# KiCad board DM23.kicad_pcb (continued)
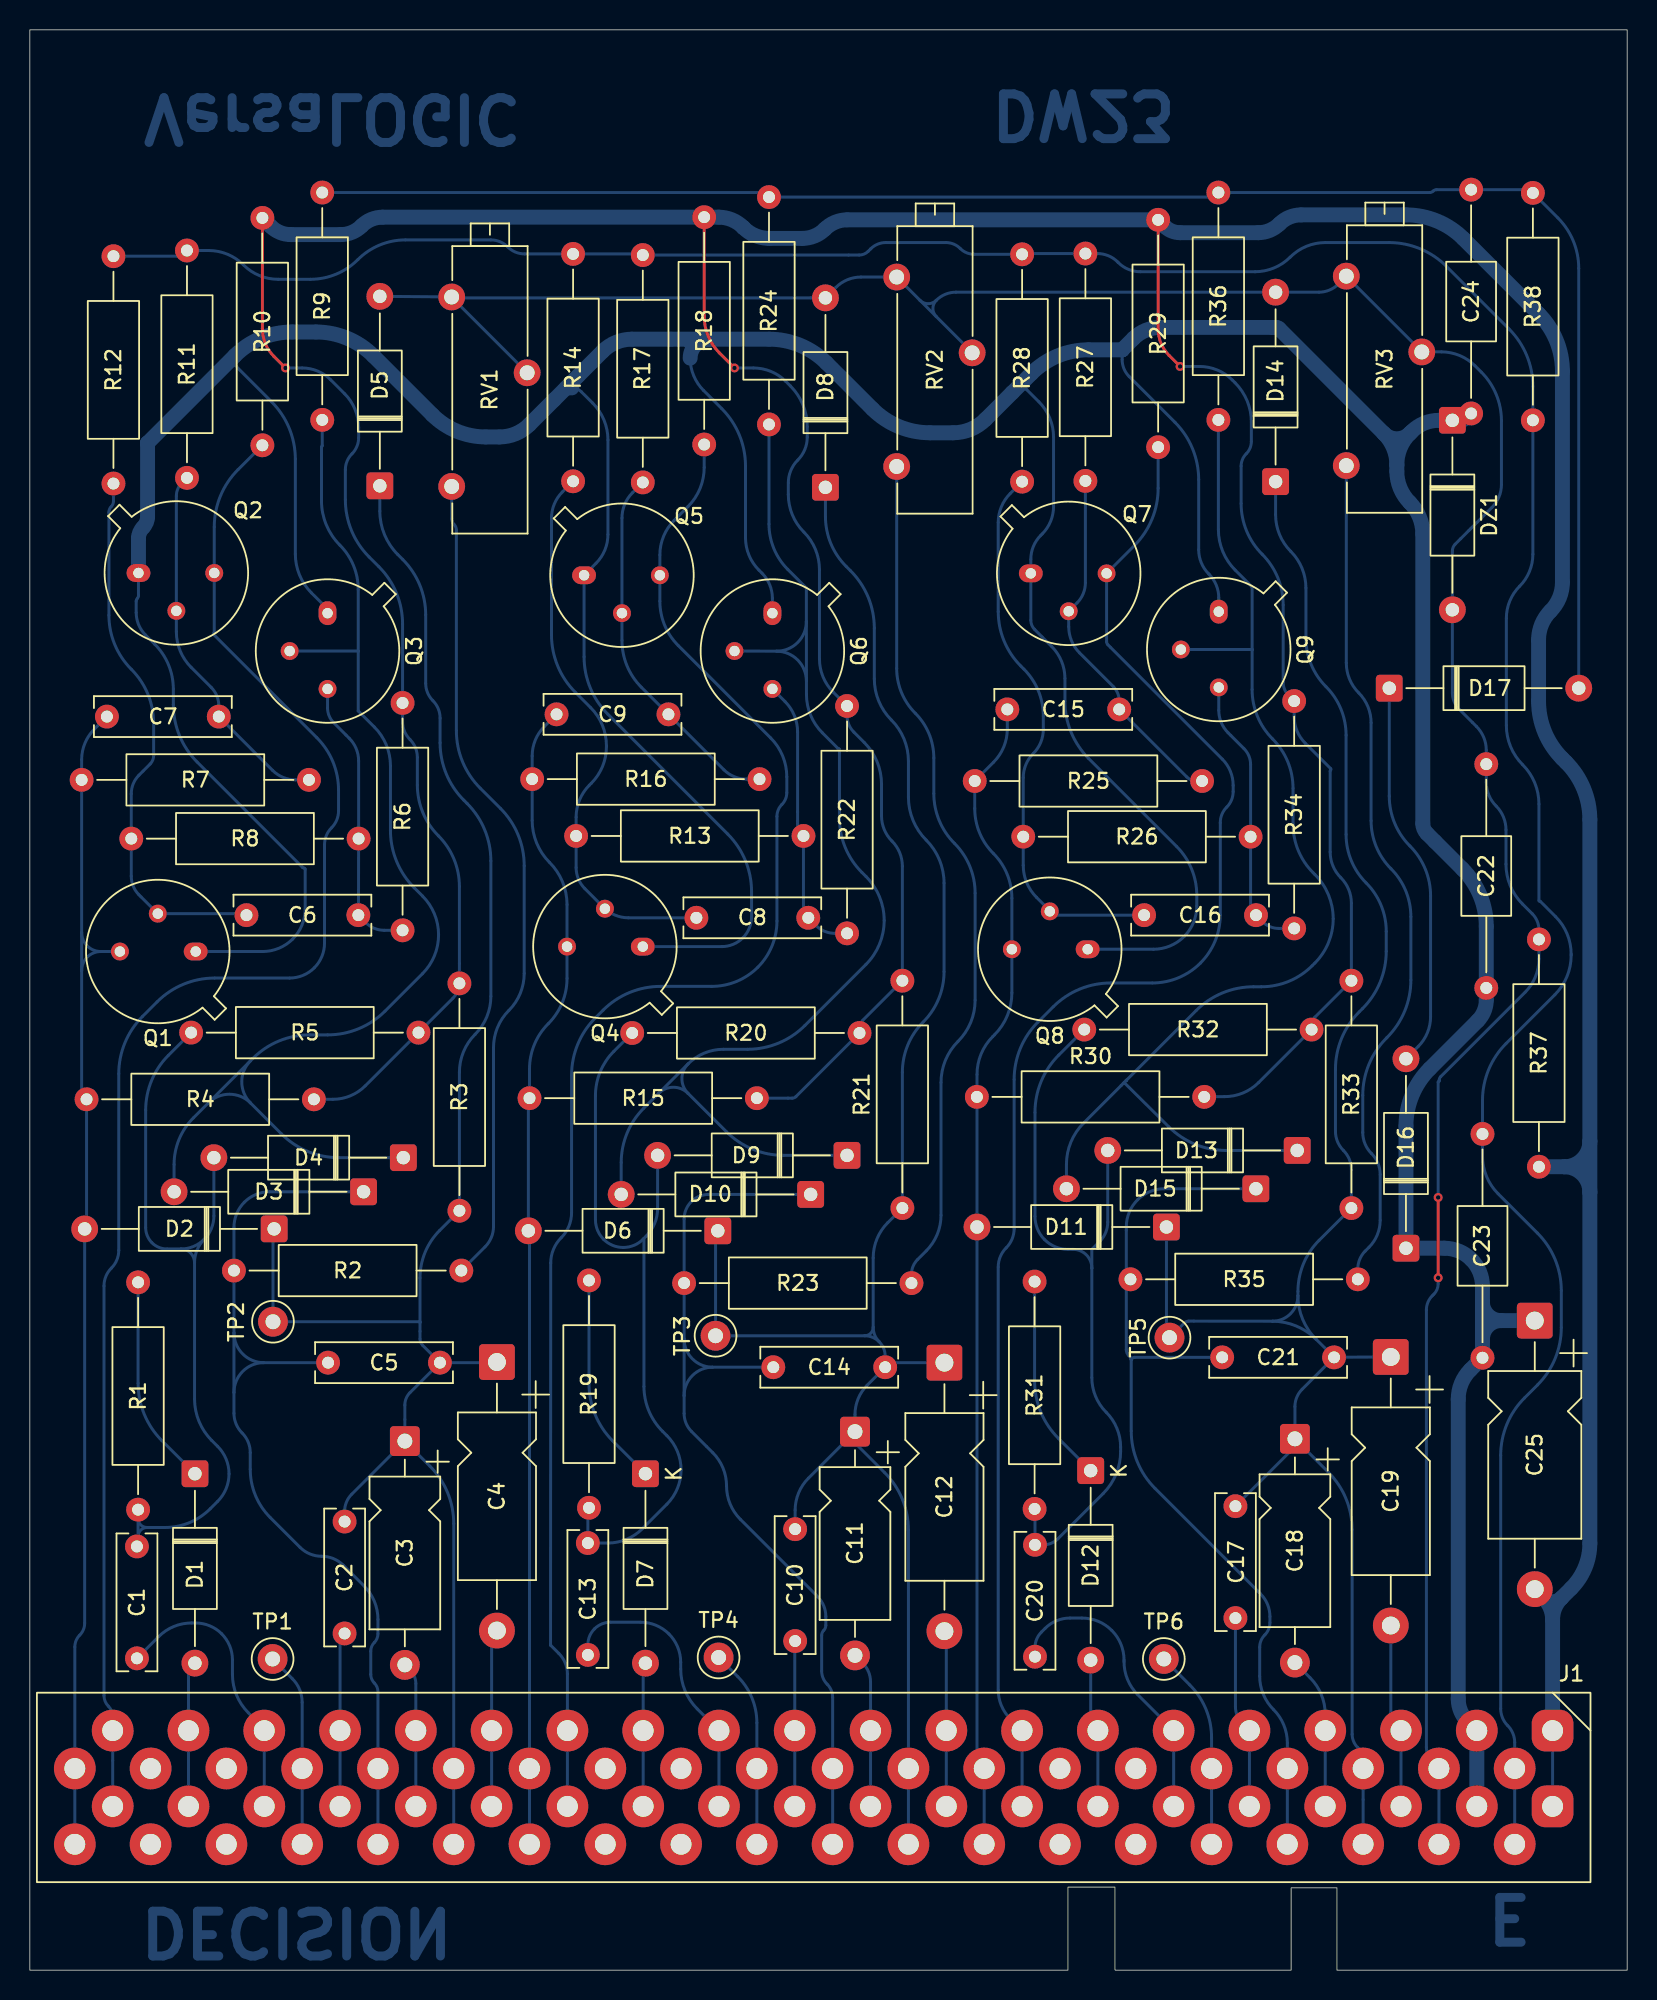
[diagram p0: board, top side]
## Routing (per net, layer and track width the routed paths; a pad name or vN(x,y) marks a point on that pad's centre or on a via; arc(x,y) is an arc through that point) (continued)
  Bottom w1: 102.67,24.94 103.32,25.6 arc(104.25,26.98) 104.57,28.61 104.57,52.15 ; 102.67,24.94 arc(102.07,24.7) 101.48,24.94 ; 102.67,24.94 arc(102.23,24.28) 102.07,23.5 ; 104.57,55.56 104.57,77.12 arc(104.16,79.2) 102.98,80.97 102.73,81.22 arc(101.55,82.98) 101.13,85.06 101.13,89.17 arc(101.34,90.22) 101.94,91.1 arc(102.53,91.99) 102.74,93.03 102.74,107.17 arc(102.32,109.26) 101.14,111.02 96.1,116.06 arc(94.33,117.24) 92.25,117.66 85.22,117.66 arc(84.44,117.5) 83.77,117.06 arc(83.11,116.62) 82.33,116.46 77.11,116.46 arc(76.54,116.58) 76.07,116.9 R29.1 54.8,117.33 arc(53.98,117.17) 53.29,116.71 arc(52.6,116.25) 51.79,116.08 49.56,116.08 arc(48.63,116.27) 47.85,116.79 47.82,116.82 arc(47.06,117.33) 46.17,117.51 R18.1 23.65,117.51 arc(22.89,117.35) 22.24,116.92 arc(21.6,116.49) 20.83,116.34 17.5,116.34 arc(16.77,116.48) 16.15,116.9 R10.1 ; 104.57,55.56 104.57,52.15 ; 104.57,55.56 arc(104.07,54.35) 102.87,53.85 ; 102.87,53.85 R37.1 ; 102.87,53.85 arc(104.07,53.35) 104.57,52.15 ; 101.48,24.94 C25.2 ; 101.48,24.94 arc(101.92,24.28) 102.07,23.5 ; J1.1 102.07,23.5
GND: length 422.7
  Bottom w0.2: Q8.1 75.32,68.43 arc(76.43,68.65) 77.37,69.28 arc(78,70.23) 78.22,71.34 78.22,72.05 arc(77.87,73.82) 76.87,75.33 70.98,81.22 arc(69.8,82.98) 69.38,85.06 69.38,86.59 arc(69.15,87.74) 68.5,88.72 67.36,89.87 arc(67.17,90.15) 67.1,90.49 Q7.1 67.1,94.57 arc(67.27,95.44) 67.76,96.17 67.86,96.27 arc(68.42,97.12) 68.62,98.11 68.62,102.76 arc(68.37,104.04) 67.65,105.12 66.83,105.94 arc(66.65,106.06) 66.44,106.1 66.21,106.1 ; Q9.1 79.7,91.99 arc(79.53,92.85) 79.04,93.57 79.02,93.59 arc(78.53,94.34) 78.35,95.22 78.35,99.91 arc(77.94,101.99) 76.76,103.76 73.69,106.83 arc(73.34,107.35) 73.22,107.96 73.22,108.62 arc(73.22,108.62) 73.22,108.62 ; Q3.1 19.96,91.1 arc(19.93,91.23) 19.86,91.34 18.88,92.32 arc(18.08,93.52) 17.8,94.93 17.8,101.28 arc(17.38,103.36) 16.2,105.13 13.47,107.87 ; Q6.1 49.78,91.95 arc(49.59,92.87) 49.08,93.64 48.87,93.85 arc(48.21,94.84) 47.97,96.02 47.97,100.82 arc(47.56,102.91) 46.38,104.67 45.16,105.89 arc(44.5,106.88) 44.26,108.06 arc(43.89,108.96) 42.99,109.33 ; Q2.1 7.28,92.14 arc(7.26,92.04) 7.21,91.95 arc(7.15,91.87) 7.13,91.77 7.13,91 arc(7.29,90.19) 7.75,89.51 8.37,88.88 arc(9.3,87.5) 9.62,85.88 9.62,84.83 arc(10.03,82.75) 11.21,80.99 18.29,73.91 arc(18.34,73.88) 18.39,73.87 arc(18.44,73.85) 18.46,73.81 18.46,71.14 arc(18.24,70.05) 17.62,69.12 arc(16.69,68.5) 15.6,68.28 Q1.1 ; 35.95,106.06 36.33,106.06 arc(36.68,105.99) 36.98,105.79 37.73,105.04 arc(38.49,103.91) 38.75,102.57 38.75,96.23 arc(38.54,95.19) 37.95,94.3 Q5.1 37.15,88.04 arc(37.57,85.95) 38.75,84.19 46.79,76.15 arc(47.96,74.38) 48.38,72.3 48.38,70.61 arc(48.23,69.84) 47.79,69.2 arc(47.15,68.76) 46.38,68.61 Q4.1
  Bottom w1: 92.51,103.01 92.63,103.13 arc(93.46,103.69) 94.45,103.89 95.84,103.89 arc(96.13,103.95) 96.38,104.11 C24.1 ; 92.51,103.01 arc(91.63,102.65) 90.76,103.01 ; 92.51,103.01 arc(91.86,102.04) 91.63,100.9 ; 97.38,42.3 97.38,44.79 ; 97.38,42.3 C23.1 96.56,40.24 arc(95.96,39.34) 95.75,38.28 95.75,18.18 arc(95.91,17.37) 96.37,16.68 arc(96.83,15.99) 96.99,15.18 J1.3 ; 97.38,42.3 97.38,44.79 ; 97.38,42.3 arc(97.74,43.18) 98.62,43.54 ; 97.38,44.79 97.38,45.83 arc(97.18,46.81) 96.63,47.64 arc(95.8,48.2) 94.82,48.39 D16.1 92.24,56.57 arc(92.66,58.66) 93.84,60.42 97.05,63.64 arc(97.48,64.28) 97.63,65.03 C22.1 97.63,69.96 arc(97.22,72.05) 96.04,73.81 93.65,76.2 arc(93.45,76.5) 93.37,76.86 93.37,96.27 arc(93.15,97.41) 92.5,98.37 arc(91.86,99.34) 91.63,100.48 91.63,100.9 ; 97.38,44.79 arc(97.74,43.91) 98.62,43.54 ; 91.63,100.9 arc(91.41,102.04) 90.76,103.01 ; 45.53,109.33 42.99,109.33 40.36,109.33 arc(39.3,109.12) 38.39,108.51 36.76,106.88 33.49,103.6 arc(32.57,102.99) 31.48,102.77 30.56,102.77 arc(28.63,103.16) 26.98,104.26 23.02,108.22 arc(21.26,109.4) 19.18,109.81 17.59,109.81 arc(15.51,109.4) 13.74,108.22 7.89,102.37 7.89,97.44 arc(7.81,97.04) 7.59,96.7 arc(7.36,96.37) 7.28,95.97 Q2.1 ; 45.53,109.33 49.55,109.33 arc(51.64,108.91) 53.4,107.73 56.49,104.65 arc(58.25,103.47) 60.34,103.05 61.9,103.05 arc(63.07,103.29) 64.06,103.95 65.85,105.74 67.14,107.03 arc(68.9,108.2) 70.97,108.62 73.22,108.62 ; 45.53,109.33 arc(44.64,108.96) 44.26,108.06 ; 90.76,103.01 83.74,110.03 arc(83.65,110.09) 83.54,110.11 75.78,110.11 arc(74.8,109.92) 73.97,109.37 73.22,108.62 ; 73.22,108.62 arc(73.22,108.62) 73.22,108.62 ; 73.22,108.62 arc(73.22,108.62) 73.22,108.62 ; 73.22,108.62 arc(73.22,108.62) 73.22,108.62 ; 98.62,43.54 C25.1 ; 36.33,106.06 35.95,106.06
J1-4: length 196.3
  Top w0.2: v1(94.4,46.41) v1(94.4,51.8)
  Bottom w0.2: 93.31,108.49 93.31,108.49 ; 93.31,108.49 RV3.2 ; 93.31,108.49 arc(93.31,108.48) 93.31,108.48 ; RV1.3 28.27,112.16 ; 59.67,111.93 RV2.3 55.72,113.49 arc(54.8,113.31) 54.03,112.79 arc(53.26,112.28) 52.34,112.1 28.38,112.1 arc(28.34,112.1) 28.31,112.13 28.28,112.16 ; 59.67,111.93 60.76,110.84 ; 59.67,111.93 arc(60.22,111.7) 60.76,111.93 ; RV2.2 63.17,108.43 arc(63.17,108.43) 63.17,108.43 arc(63.16,108.44) 63.16,108.44 63.15,108.45 60.76,110.84 ; 28.27,112.16 28.28,112.15 ; 28.27,112.16 arc(28.27,112.16) 28.27,112.16 ; 28.27,112.16 arc(28.27,112.16) 28.27,112.16 ; 28.28,112.15 28.28,112.15 arc(28.28,112.15) 28.28,112.15 arc(28.28,112.15) 28.28,112.15 28.28,112.15 ; 28.28,112.15 28.29,112.14 ; 28.28,112.15 28.28,112.15 ; RV1.2 28.28,112.14 ; 93.31,108.48 93.31,108.48 ; 93.31,108.48 93.31,108.48 ; 93.31,108.48 arc(93.31,108.48) 93.31,108.48 ; 93.31,108.48 94.63,108.48 arc(95.84,108.23) 96.88,107.54 97.3,107.12 arc(98.29,105.63) 98.65,103.86 98.65,99.58 arc(98.48,98.75) 98.01,98.05 96.47,96.51 95.54,95.58 arc(95.41,95.38) 95.36,95.13 DZ1.2 95.36,85.62 arc(95.47,85.03) 95.81,84.53 96.97,83.37 arc(97.46,82.64) 97.63,81.78 C22.2 97.63,79.63 arc(97.8,78.77) 98.29,78.03 arc(98.78,77.3) 98.95,76.44 98.95,74.14 arc(99.24,72.69) 100.06,71.47 100.71,70.81 arc(101.04,70.32) 101.16,69.73 101.16,67.79 arc(100.92,66.58) 100.24,65.55 94.56,59.88 arc(94.5,59.79) 94.48,59.68 94.48,59.61 arc(94.47,59.58) 94.44,59.57 arc(94.42,59.56) 94.4,59.53 v1(94.4,51.8) ; 60.76,110.84 arc(60.54,111.38) 60.76,111.93 ; 93.31,108.49 93.31,108.49 arc(93.3,108.5) 93.3,108.5 93.29,108.51 88.78,113.01 arc(88.25,113.24) 87.71,113.01 arc(87.11,112.62) 86.41,112.48 D14.2 62.08,112.48 arc(61.37,112.33) 60.76,111.93 ; J1.4 94.45,12.93 arc(94.35,13.47) 94.04,13.94 arc(93.72,14.4) 93.62,14.95 93.62,44.25 arc(93.72,44.77) 94.01,45.2 94.12,45.31 arc(94.33,45.63) 94.4,46 v1(94.4,46.41) ; D5.2 28.26,112.16 arc(28.27,112.16) 28.27,112.16 arc(28.27,112.16) 28.27,112.16 ; 28.27,112.16 arc(28.27,112.16) 28.27,112.16 ; 28.27,112.16 arc(28.27,112.16) 28.27,112.16
J1-5: length 12.3
  Bottom w0.2: C19.2 91.23,17.23 arc(91.32,16.78) 91.57,16.4 arc(91.83,16.02) 91.91,15.57 J1.5
J1-6: length 130.4
  Bottom w0.2: 84.8,35.62 87.04,33.37 arc(88.22,31.61) 88.64,29.53 88.64,15.82 arc(88.73,15.34) 89.01,14.93 89.1,14.84 arc(89.3,14.53) 89.37,14.17 J1.6 ; 84.8,35.62 84.8,35.35 ; 84.8,35.62 84.8,37.78 arc(84.93,38.4) 85.28,38.93 87.43,41.09 ; 84.8,35.88 84.8,35.48 arc(84.73,35.12) 84.52,34.81 C17.2 ; 87.43,41.09 86.22,42.29 ; 87.43,41.09 C19.1 ; D11.1 76.19,42.97 76.19,42.73 arc(76.21,42.61) 76.28,42.51 76.29,42.5 arc(76.4,42.46) 76.5,42.5 77.07,43.07 arc(77.22,43.21) 77.37,43.36 77.4,43.39 arc(77.53,43.47) 77.69,43.51 78.03,43.51 83.29,43.5 ; 83.29,43.5 arc(84.5,44) 85.01,45.21 ; 83.29,43.5 arc(84.88,43.18) 86.22,42.29 ; 85.01,45.21 85.01,45.5 arc(85.37,47.35) 86.42,48.92 R33.1 88.59,53.66 arc(88.45,54.35) 88.05,54.95 arc(87.66,55.54) 87.52,56.23 87.52,60.39 arc(87.93,62.47) 89.11,64.24 89.33,64.45 arc(90.51,66.22) 90.92,68.3 90.92,69.63 arc(90.57,71.39) 89.58,72.88 arc(88.58,74.37) 88.23,76.13 88.23,82.79 arc(87.88,84.54) 86.89,86.04 arc(85.89,87.53) 85.54,89.29 85.54,92.65 arc(85.28,93.98) 84.52,95.1 arc(83.77,96.23) 83.51,97.56 D14.1 ; 85.01,45.21 arc(85.32,43.63) 86.22,42.29 ; 87.44,41.09 C21.2
J1-7: length 10.3
  Bottom w0.2: J1.7 86.83,14.8 86.83,17.15 arc(86.57,18.47) 85.82,19.6 C18.2
J1-8: length 62.1
  Bottom w0.2: 73.83,40.92 73.83,36.14 arc(74.24,34.06) 75.42,32.3 82.5,25.22 arc(82.96,24.53) 83.13,23.7 83.13,23.3 arc(83.04,22.85) 82.78,22.47 arc(82.53,22.09) 82.44,21.64 82.44,19.71 arc(82.68,18.49) 83.37,17.47 arc(84.05,16.44) 84.29,15.23 J1.8 J1.8 ; 73.83,40.92 73.83,40.94 ; 73.83,40.92 73.83,40.94 ; 73.83,40.94 73.83,40.98 ; 73.83,40.94 73.83,40.95 ; 73.83,40.96 73.83,40.91 ; 73.83,40.96 73.83,40.98 ; 73.83,40.96 arc(73.83,40.97) 73.83,40.98 ; 73.83,40.96 arc(73.83,40.96) 73.84,40.96 73.84,40.96 ; 73.83,40.95 73.89,41.01 arc(73.96,41.06) 74.05,41.08 C21.1 ; 73.83,40.98 73.83,40.99 ; 73.83,40.98 arc(73.82,41.02) 73.8,41.06 73.66,41.19 arc(73.54,41.37) 73.5,41.59 73.5,45.7 73.5,49.82 arc(73.69,50.8) 74.25,51.63 arc(75.08,52.19) 76.06,52.38 D15.1
J1-9: length 12.9
  Bottom w0.2: J1.9 81.75,15.39 arc(81.63,16.01) 81.28,16.53 arc(80.94,17.05) 80.81,17.66 C17.1
J1-11: length 20.3
  Bottom w0.2: C20.1 67.38,21.62 arc(67.49,22.18) 67.81,22.66 68.06,22.92 arc(68.82,23.42) 69.72,23.6 70.53,23.6 arc(71.61,23.39) 72.52,22.78 arc(73.13,21.86) 73.35,20.78 73.35,20.67 arc(73.58,19.48) 74.25,18.48 J1.11 J1.11
J1-13: length 9.9
  Bottom w0.2: D12.2 71.11,16.88 arc(71.17,16.57) 71.35,16.3 arc(71.53,16.03) 71.59,15.72 J1.13
J1-15: length 105.7
  Bottom w0.2: J1.15 J1.15 65.71,16.86 arc(65.12,17.74) 64.91,18.79 64.91,47.13 arc(65.05,47.83) 65.45,48.42 arc(65.84,49.01) 65.98,49.71 65.98,59.7 arc(66.4,61.78) 67.58,63.55 68.6,64.58 arc(70.37,65.76) 72.45,66.17 75.25,66.17 arc(76.99,66.52) 78.47,67.51 arc(79.45,68.98) 79.8,70.73 79.8,76.92 arc(79.91,77.48) 80.23,77.96 arc(80.55,78.44) 80.66,79 80.66,79.42 arc(80.47,80.37) 79.94,81.17 72.26,88.85 arc(72.2,88.94) 72.18,89.05 Q7.3 74.04,95.49 arc(75.22,97.26) 75.63,99.34 R29.2
J1-16: length 78.3
  Bottom w0.2: J1.16 63.97,13.18 arc(63.91,13.49) 63.73,13.76 arc(63.55,14.03) 63.49,14.34 D11.2 63.49,60.04 arc(63.77,61.41) 64.54,62.58 64.66,62.69 arc(65.53,63.99) 65.83,65.51 Q8.3 65.83,71.85 arc(65.51,73.48) 64.58,74.86 arc(63.66,76.24) 63.34,77.86 R25.1 64.6,80.97 arc(65.28,81.99) 65.52,83.2 C15.1
J1-17: length 11.8
  Bottom w0.2: C12.2 61.37,22.66 arc(61.42,22.59) 61.43,22.5 J1.17 J1.17
J1-18: length 128.9
  Bottom w0.2: 55.96,42.53 TP3.1 45.97,49.3 arc(45.99,49.4) 46.04,49.48 D6.1 ; 55.96,42.53 arc(56.49,42.42) 56.93,42.12 ; 55.96,42.53 arc(56.37,42.69) 56.53,43.09 ; J1.18 J1.18 58.89,29.5 arc(58.48,31.58) 57.3,33.35 55.31,35.34 ; 55.31,36.29 55.31,35.91 ; 55.31,36.29 55.31,37.25 arc(55.52,38.31) 56.12,39.21 C14.2 ; 55.31,36.29 arc(55.28,36.11) 55.18,35.96 ; 55.31,35.91 55.31,35.72 ; 55.31,35.91 55.31,36.48 ; 55.31,35.91 arc(55.26,35.98) 55.18,35.96 ; 55.18,35.96 52.19,32.98 arc(51.53,31.99) 51.3,30.82 C10.2 ; D8.1 53.33,97.44 arc(53.69,95.63) 54.72,94.1 55.01,93.8 arc(56.19,92.04) 56.61,89.95 56.61,86.56 arc(56.91,85.07) 57.75,83.8 arc(58.6,82.53) 58.89,81.04 58.89,78.63 arc(59.21,77.07) 60.09,75.75 arc(60.97,74.43) 61.28,72.87 61.28,66.93 arc(60.92,65.1) 59.89,63.56 arc(58.85,62.01) 58.49,60.18 R21.1 57.51,50.11 arc(56.79,49.02) 56.53,47.75 56.53,43.09 ; C14.2 57.49,40.57 ; C14.2 57.34,41.15 arc(57.23,41.68) 56.93,42.12 ; 56.53,43.09 arc(56.64,42.57) 56.93,42.12 ; 57.18,40.26 57.41,40.49 arc(57.67,40.66) 57.96,40.72 C12.1
J1-19: length 10.5
  Bottom w0.2: J1.19 J1.19 56.35,19.32 arc(56.22,20) 55.83,20.58 C11.2
J1-20: length 65.2
  Bottom w0.2: J1.20 J1.20 53.81,18.28 arc(53.72,18.76) 53.45,19.17 arc(53.17,19.58) 53.08,20.06 53.08,22.44 arc(53.11,22.62) 53.22,22.78 arc(53.32,22.93) 53.36,23.11 53.36,23.7 arc(53.21,24.43) 52.8,25.05 47.63,30.22 arc(46.94,31.25) 46.7,32.45 46.7,32.46 arc(46.46,33.66) 45.78,34.68 44.36,36.11 arc(43.99,36.66) 43.86,37.31 43.86,38.51 ; 43.86,38.51 43.86,42.32 ; 43.86,38.51 arc(44.42,39.86) 45.76,40.42 ; 43.86,42.32 R23.1 43.86,50.35 arc(43.98,50.98) 44.34,51.52 arc(44.88,51.87) 45.51,52 D10.1 ; 43.86,42.32 arc(44.42,40.97) 45.76,40.42 ; 45.76,40.42 C14.1
J1-21: length 11.1
  Bottom w0.2: J1.21 J1.21 51.27,22.02 arc(51.28,22.04) 51.29,22.05 C10.1
J1-23: length 19.9
  Bottom w0.2: J1.23 J1.23 44.73,17.52 arc(43.92,18.74) 43.63,20.19 43.63,20.63 arc(43.42,21.66) 42.84,22.54 arc(41.97,23.12) 40.94,23.32 38.92,23.32 arc(38.34,23.21) 37.85,22.88 arc(37.52,22.39) 37.41,21.81 C13.1
J1-25: length 9.7
  Bottom w0.2: D7.2 41.19,20.5 arc(41.13,20.42) 41.11,20.32 J1.25 J1.25
J1-27: length 105.6
  Bottom w0.2: R18.2 45.2,100.73 arc(44.92,99.31) 44.12,98.11 43.19,97.18 arc(42.48,96.12) 42.23,94.86 Q5.3 42.23,91.76 arc(42.55,90.16) 43.46,88.79 49.66,82.59 arc(50.46,81.4) 50.74,79.99 50.74,78.93 arc(50.66,78.5) 50.41,78.14 arc(50.17,77.77) 50.08,77.34 50.08,70.32 arc(49.75,68.65) 48.8,67.23 arc(47.38,66.28) 45.7,65.94 42.28,65.94 arc(40.19,65.53) 38.43,64.35 37.91,63.83 arc(36.73,62.06) 36.31,59.98 36.31,50.78 arc(36.13,49.86) 35.62,49.09 arc(35.1,48.32) 34.92,47.4 34.9,21.82 34.9,21.8 arc(34.91,21.79) 34.91,21.78 35.47,21.22 arc(35.89,20.59) 36.03,19.86 J1.27 J1.27
J1-28: length 77.6
  Bottom w0.2: C9.1 34.49,83.36 arc(33.89,82.46) 33.67,81.39 R16.1 33.67,77.07 arc(33.98,75.54) 34.84,74.25 arc(35.71,72.96) 36.01,71.43 Q4.3 36.01,66.48 arc(35.68,64.83) 34.75,63.44 arc(33.82,62.05) 33.49,60.41 33.49,58.5 arc(33.48,58.46) 33.46,58.41 arc(33.43,58.37) 33.42,58.32 33.42,49.61 arc(33.43,49.57) 33.46,49.52 arc(33.48,49.48) 33.49,49.43 J1.28 J1.28
J1-29: length 11.9
  Bottom w0.2: J1.29 J1.29 30.95,22.16 arc(31,22.39) 31.13,22.59 C4.2
J1-30: length 124.5
  Bottom w0.2: C5.2 31.24,40.72 arc(31.27,40.73) 31.29,40.74 C4.1 ; C5.2 26.33,41.88 arc(26.2,42.08) 26.15,42.31 26.15,43.42 ; C5.2 25.48,38.71 arc(25.23,38.33) 25.14,37.88 C3.1 ; D5.1 23.46,97.8 arc(23.77,96.22) 24.67,94.89 25,94.56 arc(26.14,92.85) 26.54,90.85 26.54,86.26 arc(26.66,85.63) 27.02,85.1 arc(27.37,84.56) 27.5,83.93 27.5,82.27 arc(27.91,80.19) 29.09,78.42 29.31,78.21 arc(30.49,76.44) 30.9,74.36 30.9,65.28 arc(30.63,63.9) 29.85,62.73 arc(29.07,61.56) 28.8,60.19 R3.1 27.47,49.59 arc(26.5,48.12) 26.15,46.4 26.15,43.46 ; C2.2 21.1,30.75 arc(21.22,31.37) 21.58,31.9 C3.1 ; C3.1 26.82,33.78 arc(28,32.02) 28.41,29.93 J1.30 J1.30 ; 26.15,43.42 26.15,43.46 ; 26.15,43.42 arc(26.15,43.44) 26.14,43.45 ; 26.15,43.46 arc(26.15,43.45) 26.14,43.45 ; 28.26,13.7 28.49,13.47 ; D2.1 16.34,49.65 arc(16.31,49.61) 16.3,49.56 TP2.1 26.11,43.46 arc(26.13,43.46) 26.14,43.45
J1-31: length 9.7
  Bottom w0.2: J1.31 J1.31 25.87,19.21 arc(25.78,19.69) 25.51,20.1 C3.2
J1-32: length 66.6
  Bottom w0.2: J1.32 J1.32 23.33,18.66 arc(23.27,18.98) 23.09,19.25 arc(22.91,19.51) 22.85,19.83 22.85,21.38 arc(22.91,21.7) 23.09,21.96 arc(23.27,22.23) 23.33,22.55 23.33,23.51 arc(23.09,24.72) 22.41,25.75 21.02,27.14 arc(20.35,27.59) 19.56,27.74 arc(18.78,27.9) 18.11,28.34 16.11,30.34 arc(15.12,31.82) 14.77,33.57 14.77,34.69 arc(14.63,35.41) 14.23,36.01 arc(13.82,36.61) 13.68,37.33 13.68,38.72 ; D3.1 16.07,52.18 arc(15.15,52) 14.38,51.48 arc(13.86,50.7) 13.68,49.79 R2.1 13.68,42.72 ; 15.68,40.72 C5.1 ; 15.68,40.72 arc(14.27,41.31) 13.68,42.72 ; 15.68,40.72 arc(14.27,40.14) 13.68,38.72 ; 13.68,38.72 13.68,42.72
J1-33: length 11.7
  Bottom w0.2: J1.33 J1.33 20.79,22.05 arc(20.83,22.25) 20.95,22.42 C2.1
J1-35: length 19.4
  Bottom w0.2: C1.1 8.64,22.36 arc(9.65,23.03) 10.84,23.27 11.11,23.27 arc(12.06,23.08) 12.86,22.55 arc(13.39,21.75) 13.58,20.8 13.58,19.83 arc(13.86,18.43) 14.65,17.25 15.67,16.23 ; 15.71,15.99 J1.35 ; 15.71,15.99 15.71,16.12 ; 15.71,15.99 15.71,16.12 ; 15.67,16.23 arc(15.7,16.18) 15.71,16.12 ; 15.67,16.23 arc(15.7,16.18) 15.71,16.12
J1-37: length 9.7
  Bottom w0.2: D1.2 10.85,20.36 arc(10.69,20.12) 10.63,19.84 J1.37 J1.37
J1-39: length 106.2
  Bottom w0.2: J1.39 5.55,16.23 5.55,16.99 arc(5.48,17.37) 5.26,17.7 arc(5.05,18.02) 4.97,18.4 4.97,45.86 arc(5.1,46.51) 5.47,47.06 arc(5.83,47.61) 5.96,48.25 5.96,60.08 arc(6.38,62.17) 7.55,63.93 8.53,64.91 arc(10.3,66.09) 12.38,66.5 17.41,66.5 arc(18.31,66.68) 19.07,67.19 arc(19.58,67.95) 19.75,68.84 19.75,75.44 arc(19.88,76.05) 20.22,76.57 arc(20.57,77.09) 20.69,77.71 20.69,79.1 arc(20.32,81) 19.24,82.61 12.32,89.53 arc(12.31,89.57) 12.32,89.6 arc(12.35,89.65) 12.36,89.7 Q2.3 12.36,96.74 arc(12.78,98.82) 13.96,100.58 R10.2
J1-40: length 81.8
  Bottom w0.2: 3.47,67 3.47,69.56 ; 3.47,67 3.47,58.94 arc(3.51,58.72) 3.64,58.54 arc(3.76,58.36) 3.8,58.14 3.8,50.11 arc(3.79,50.02) 3.74,49.95 3.73,49.95 arc(3.69,49.89) 3.68,49.81 3.68,49.38 3.68,23.26 arc(3.59,22.82) 3.34,22.46 arc(3.1,22.09) 3.01,21.66 J1.40 J1.40 ; 3.47,67 arc(3.85,67.91) 4.75,68.28 ; 3.47,69.56 R7.1 3.47,81.14 arc(3.69,82.24) 4.32,83.18 C7.1 ; 3.47,69.56 arc(3.85,68.66) 4.75,68.28 ; 4.75,68.28 Q1.3
Net-(D1-K): length 14.2
  Bottom w0.2: 10.99,33.28 11.05,33.28 arc(11.05,33.28) 11.05,33.29 11.03,33.32 8.85,35.5 arc(7.67,37.26) 7.26,39.34 R1.2
Net-(D3-A): length 86.4
  Bottom w0.2: 14.79,60.96 14.95,61.12 arc(16.7,62.28) 18.75,62.69 19.96,62.69 arc(22.05,63.11) 23.81,64.29 26.32,66.8 arc(27.12,67.99) 27.4,69.4 arc(27.12,70.81) 26.32,72 25.77,72.55 arc(24.59,74.32) 24.17,76.4 24.17,80.72 arc(23.89,82.13) 23.09,83.33 22.01,84.41 22.01,88.41 ; 14.79,60.96 11.96,58.13 ; 14.79,60.96 arc(14.21,59.54) 14.79,58.13 ; 22.01,88.42 22.01,88.41 ; 22.01,88.42 22.01,92.55 arc(21.69,94.16) 20.78,95.52 arc(19.87,96.89) 19.55,98.5 19.55,102.08 arc(19.56,102.11) 19.58,102.14 arc(19.59,102.17) 19.6,102.2 R9.1 ; 22.01,88.42 arc(22.01,88.42) 22.01,88.42 ; 22.01,88.41 arc(22.01,88.42) 22.01,88.42 ; 11.96,58.13 10.96,57.13 arc(10.01,55.7) 9.67,54.01 D3.2 ; 11.96,58.13 arc(13.38,58.71) 14.79,58.13 ; 14.79,58.13 16.86,56.06 arc(18.63,54.88) 20.71,54.46 D4.1 ; Q3.2 22,88.42 arc(22.01,88.42) 22.01,88.42
Net-(D4-A): length 54.4
  Bottom w0.2: 11.04,47.43 11.04,38.29 arc(11.34,36.78) 12.2,35.5 12.59,35.11 arc(13.15,34.26) 13.35,33.27 arc(13.15,32.27) 12.59,31.42 12.1,30.93 arc(10.7,30) 9.06,29.67 7.85,29.67 ; 11.04,47.43 arc(10.77,48.07) 10.13,48.34 ; 11.04,47.43 arc(11.21,48.27) 11.69,48.99 ; R5.1 9.29,61.32 arc(8.16,59.63) 7.76,57.64 7.76,49.77 arc(7.87,49.23) 8.18,48.76 arc(8.65,48.45) 9.2,48.34 10.13,48.34 ; 7.26,30.27 R1.1 ; 7.26,30.27 7.26,29.08 ; 7.26,30.27 arc(7.43,29.85) 7.85,29.67 ; 10.13,48.34 arc(10.97,48.51) 11.69,48.99 ; 7.26,29.08 7.26,28.53 arc(7.25,28.48) 7.22,28.44 C1.2 ; 7.26,29.08 arc(7.43,29.5) 7.85,29.67 ; D4.2 12.34,50.55 arc(12.17,49.71) 11.69,48.99
Net-(D7-K): length 14.3
  Bottom w0.2: D7.1 39.08,35.47 arc(37.9,37.24) 37.48,39.32 R19.2
Net-(D9-A): length 51.1
  Bottom w0.2: 41.17,49.05 41.17,39.13 arc(41.49,37.5) 42.41,36.12 42.7,35.83 arc(43.41,34.78) 43.65,33.53 arc(43.41,32.29) 42.7,31.24 41.05,29.58 arc(40,28.88) 38.75,28.63 C13.2 37.41,30.86 arc(37.42,30.91) 37.44,30.96 R19.1 ; R20.1 39.15,61.59 arc(38.23,60.22) 37.91,58.61 37.91,50.31 arc(38.06,49.59) 38.46,48.99 arc(39.07,48.59) 39.78,48.44 39.78,48.44 arc(40.5,48.59) 41.1,48.99 41.32,49.21 arc(41.88,50.05) 42.08,51.04 D9.2
Net-(D10-A): length 89.3
  Bottom w0.2: D9.1 50.53,54.62 arc(48.45,55.03) 46.68,56.21 44.12,58.77 ; 52.05,90.4 52.06,86.41 ; 52.05,90.4 52.05,92.62 arc(52.05,92.63) 52.06,92.64 arc(52.06,92.64) 52.06,92.64 50.8,93.9 arc(49.87,95.29) 49.55,96.93 R24.1 ; 52.05,90.4 arc(51.47,88.99) 50.06,88.41 ; 52.06,86.41 52.06,85.51 arc(52.34,84.12) 53.13,82.94 54.17,81.9 arc(54.2,81.88) 54.23,81.87 arc(54.26,81.86) 54.27,81.83 54.27,77.21 arc(54.66,75.25) 55.77,73.59 56.05,73.31 arc(56.95,71.96) 57.27,70.36 arc(56.95,68.77) 56.05,67.42 51.95,63.32 arc(50.19,62.14) 48.11,61.73 46.49,61.73 arc(45.21,61.47) 44.12,60.74 ; 52.06,86.41 arc(51.47,87.82) 50.06,88.41 ; 50.06,88.41 Q6.2 ; 44.12,58.77 arc(43.71,59.76) 44.12,60.74 ; 44.12,58.77 arc(43.13,59.18) 42.15,58.77 ; D10.2 39.64,54.13 arc(40.03,56.1) 41.15,57.78 42.15,58.77 ; 42.15,58.77 44.12,60.74
Net-(D12-K): length 14
  Bottom w0.2: D12.1 68.95,35.65 arc(67.77,37.41) 67.35,39.5 R31.2
Net-(D13-A): length 52
  Bottom w0.2: R31.1 67.37,30.9 arc(67.38,30.89) 67.38,30.87 C20.2 67.94,28.51 arc(68.47,28.62) 68.91,28.91 71.95,31.95 arc(72.81,33.25) 73.12,34.77 73.12,35.06 arc(72.87,36.33) 72.15,37.39 arc(71.44,38.46) 71.19,39.72 71.19,47.06 ; R32.1 68.97,61.34 arc(67.79,59.57) 67.38,57.49 67.38,50.53 arc(67.55,49.68) 68.03,48.96 arc(68.74,48.48) 69.59,48.32 69.93,48.32 arc(70.82,47.95) 71.19,47.06 ; 71.19,47.06 71.19,48.32 71.72,48.85 arc(72.12,49.44) 72.26,50.14 D13.2
Net-(D13-K): length 81.3
  Bottom w0.2: 73.33,59.47 73.37,59.52 ; 73.33,59.47 70.64,56.78 arc(69.79,55.51) 69.49,54.01 D15.2 ; 73.33,59.47 arc(73.35,59.48) 73.37,59.47 ; 73.37,59.52 78.18,64.32 arc(79.95,65.5) 82.03,65.92 82.56,65.92 arc(84.4,66.28) 85.96,67.33 86.14,67.51 arc(87.05,68.87) 87.37,70.48 arc(87.05,72.09) 86.14,73.45 86.02,73.56 arc(85.03,75.06) 84.68,76.81 84.68,79.22 arc(84.32,81.01) 83.3,82.53 arc(82.29,84.05) 81.93,85.84 81.93,88.51 ; 73.37,59.52 arc(73.36,59.49) 73.37,59.47 ; 81.93,88.52 81.93,92.72 80.8,93.85 arc(79.97,95.1) 79.67,96.57 R36.1 ; 81.93,88.52 81.93,88.51 ; 81.93,88.52 arc(81.93,88.52) 81.93,88.52 ; Q9.2 81.92,88.52 arc(81.92,88.52) 81.93,88.52 ; 81.93,88.51 arc(81.93,88.52) 81.93,88.52 ; D13.1 80.2,54.95 arc(78.11,55.36) 76.34,56.53 73.4,59.45 arc(73.4,59.45) 73.4,59.45 arc(73.39,59.45) 73.39,59.45 73.37,59.47
Net-(D16-A): length 26.1
  Bottom w0.2: D17.1 91.13,78.7 arc(91.49,76.89) 92.51,75.35 arc(93.54,73.82) 93.9,72.01 93.9,63.91 arc(93.68,62.83) 93.07,61.92 D16.2
Net-(D17-A): length 115.7
  Bottom w0.2: R9.2 49.03,119.16 arc(49.23,119.12) 49.4,119 arc(49.56,118.89) 49.76,118.85 79.1,118.85 arc(79.3,118.89) 79.47,119 79.58,119.12 arc(79.63,119.15) 79.68,119.16 79.79,119.16 93.84,119.16 arc(93.96,119.18) 94.07,119.25 arc(94.17,119.32) 94.3,119.35 C24.2 100.19,119.35 arc(100.51,119.29) 100.78,119.1 102.43,117.46 arc(103.46,115.91) 103.83,114.08 D17.2
Net-(J1-Pin_10): length 13.5
  Bottom w0.2: TP6.1 77.75,19.12 arc(78.83,17.5) 79.21,15.59 J1.10 J1.10
Net-(J1-Pin_22): length 13.4
  Bottom w0.2: TP4.1 47.45,19.68 arc(48.4,18.26) 48.73,16.58 J1.22 J1.22
Net-(J1-Pin_34): length 14.2
  Bottom w0.2: 16.28,20.85 16.94,20.19 ; 16.28,20.85 16.26,20.87 ; 16.28,20.85 16.94,20.19 ; 16.28,20.85 16.26,20.87 ; 16.94,20.19 17.6,19.53 arc(18.08,18.81) 18.25,17.95 J1.34 J1.34 ; 16.26,20.87 16.2,20.94
Net-(Q1-B): length 36.9
  Bottom w0.2: C6.1 14.47,70.77 arc(14.41,70.81) 14.35,70.82 Q1.2 7.31,72.08 arc(6.93,72.65) 6.8,73.33 R8.1 6.8,78.86 arc(6.93,79.53) 7.31,80.1 8.06,80.85 arc(8.24,81.11) 8.3,81.41 8.3,83.59 arc(7.91,85.54) 6.8,87.2 arc(5.69,88.86) 5.3,90.82 5.3,97.73 arc(5.34,97.93) 5.45,98.1 arc(5.57,98.27) 5.61,98.47 R12.1
Net-(Q2-B): length 24.8
  Bottom w0.2: R7.2 17.81,79.79 arc(16.98,79.95) 16.27,80.42 13.18,83.52 arc(12.8,84.08) 12.67,84.75 arc(12.53,85.42) 12.15,85.99 10.81,87.33 arc(10.08,88.43) 9.82,89.72 Q2.2 9.82,98.82 arc(9.91,99.28) 10.18,99.68 R11.1
Net-(Q3-E): length 19.2
  Bottom w0.2: 22.02,70.8 22.04,70.82 ; Q3.3 19.96,84.61 arc(20.06,84.07) 20.37,83.62 21.41,82.57 arc(21.88,81.88) 22.04,81.06 R8.2 22.03,70.86 arc(22.03,70.81) 22.03,70.77 arc(22.03,70.72) 22.05,70.69 22.53,70.21 arc(23.09,69.84) 23.76,69.7 R6.1
Net-(Q4-B): length 37.8
  Bottom w0.2: R14.1 35.69,99.08 arc(35.16,98.28) 34.97,97.33 34.97,89.51 arc(35.38,87.43) 36.56,85.66 37.59,84.63 arc(38.38,83.46) 38.65,82.07 38.65,82.01 arc(38.39,80.68) 37.63,79.56 37.51,79.43 arc(36.85,78.45) 36.62,77.29 R13.1 36.62,73.91 arc(36.77,73.14) 37.2,72.5 38.47,71.23 arc(39.23,70.72) 40.13,70.54 C8.1
Net-(Q5-B): length 24.9
  Bottom w0.2: R16.2 48.03,79.84 arc(47.22,80) 46.53,80.46 C9.2 40.99,86 arc(40.03,87.44) 39.69,89.13 Q5.2 39.69,97.34 arc(39.87,98.25) 40.39,99.03 R17.1
Net-(Q6-E): length 19.1
  Bottom w0.2: Q6.3 50.62,85.04 arc(51.25,84.1) 51.47,83 51.47,76.88 51.47,76.57 arc(51.49,76.43) 51.57,76.31 51.66,76.22 arc(51.81,76.01) 51.86,75.75 51.86,71.17 arc(51.9,70.97) 52.02,70.79 52.15,70.66 arc(52.17,70.62) 52.18,70.58 arc(52.19,70.54) 52.21,70.51 52.7,70.02 arc(53.28,69.64) 53.96,69.5 R22.1
Net-(Q7-B): length 24.4
  Bottom w0.2: R25.2 78.2,79.71 arc(77.85,79.78) 77.56,79.98 C15.2 73.02,85.08 arc(72.92,85.6) 72.62,86.04 70.37,88.3 arc(69.83,89.11) 69.64,90.06 Q7.2 70.2,91.65 arc(70.61,92.27) 70.76,93 R27.1
Net-(Q8-B): length 37.6
  Bottom w0.2: R28.1 65.71,98.98 arc(65.12,98.09) 64.91,97.05 64.91,91.07 arc(65.31,89.09) 66.43,87.42 66.64,87.21 arc(67.6,85.77) 67.94,84.07 67.94,83.18 arc(67.76,82.3) 67.26,81.55 arc(66.77,80.81) 66.59,79.93 R26.1 66.59,74.06 arc(66.82,72.9) 67.48,71.91 68.35,71.04 arc(68.36,71.02) 68.37,71 arc(68.37,70.98) 68.39,70.96 68.5,70.85 arc(68.64,70.75) 68.8,70.72 C16.1
Net-(Q9-E): length 19.3
  Bottom w0.2: 82.24,70.67 82.15,70.77 ; 82.24,70.67 82.64,70.27 arc(83.13,69.95) 83.71,69.83 R34.1 ; 82.24,70.67 arc(82.22,70.72) 82.24,70.77 ; 82.15,70.77 82.01,70.9 arc(81.88,71.1) 81.83,71.34 R26.2 81.83,80.81 arc(81.72,81.39) 81.39,81.88 80.32,82.95 arc(79.86,83.64) 79.7,84.45 Q9.3 ; 82.15,70.77 arc(82.19,70.75) 82.24,70.77 ; 82.24,70.77 82.29,70.81
Net-(R2-Pad2): length 55.4
  Bottom w0.2: R2.2 30.52,48.49 arc(30.93,49.11) 31.08,49.85 31.08,61.85 arc(31.35,63.19) 32.11,64.33 arc(32.87,65.47) 33.14,66.81 33.14,74.03 arc(32.72,76.11) 31.55,77.88 30.19,79.23 arc(29.01,81) 28.59,83.08 28.59,96.53 arc(28.55,96.74) 28.43,96.91 arc(28.32,97.09) 28.28,97.29 RV1.1
Net-(R23-Pad2): length 57.4
  Bottom w0.2: RV2.1 58.11,87.26 arc(58.43,85.64) 59.35,84.26 arc(60.27,82.88) 60.6,81.25 60.6,78.87 arc(60.96,77.07) 61.98,75.53 arc(63.01,74) 63.37,72.19 63.37,65.02 arc(63.07,63.53) 62.22,62.26 arc(61.38,60.99) 61.08,59.5 61.08,50.61 arc(60.82,49.31) 60.09,48.21 59.51,47.64 arc(59.21,47.18) 59.1,46.64 R23.2
Net-(R35-Pad2): length 57.3
  Bottom w0.2: RV3.1 88.25,87.63 arc(88.46,86.54) 89.08,85.62 arc(89.69,84.7) 89.91,83.62 89.91,77.05 arc(90.25,75.31) 91.24,73.83 arc(92.23,72.35) 92.58,70.61 92.58,66.37 arc(92.16,64.29) 90.98,62.52 90.94,62.48 arc(89.76,60.72) 89.35,58.64 89.35,56.15 arc(89.5,55.39) 89.93,54.74 arc(90.37,54.1) 90.52,53.33 90.52,50.27 arc(90.32,49.29) 89.77,48.46 89.51,48.2 arc(89.15,47.65) 89.02,47.01 R35.2

## Text on the board
Bottom: E | DECISION | VersaLOGIC | DW23
